# Altium PCB 2-quilter-output.pcbdoc (part 3 of 17) (continued)
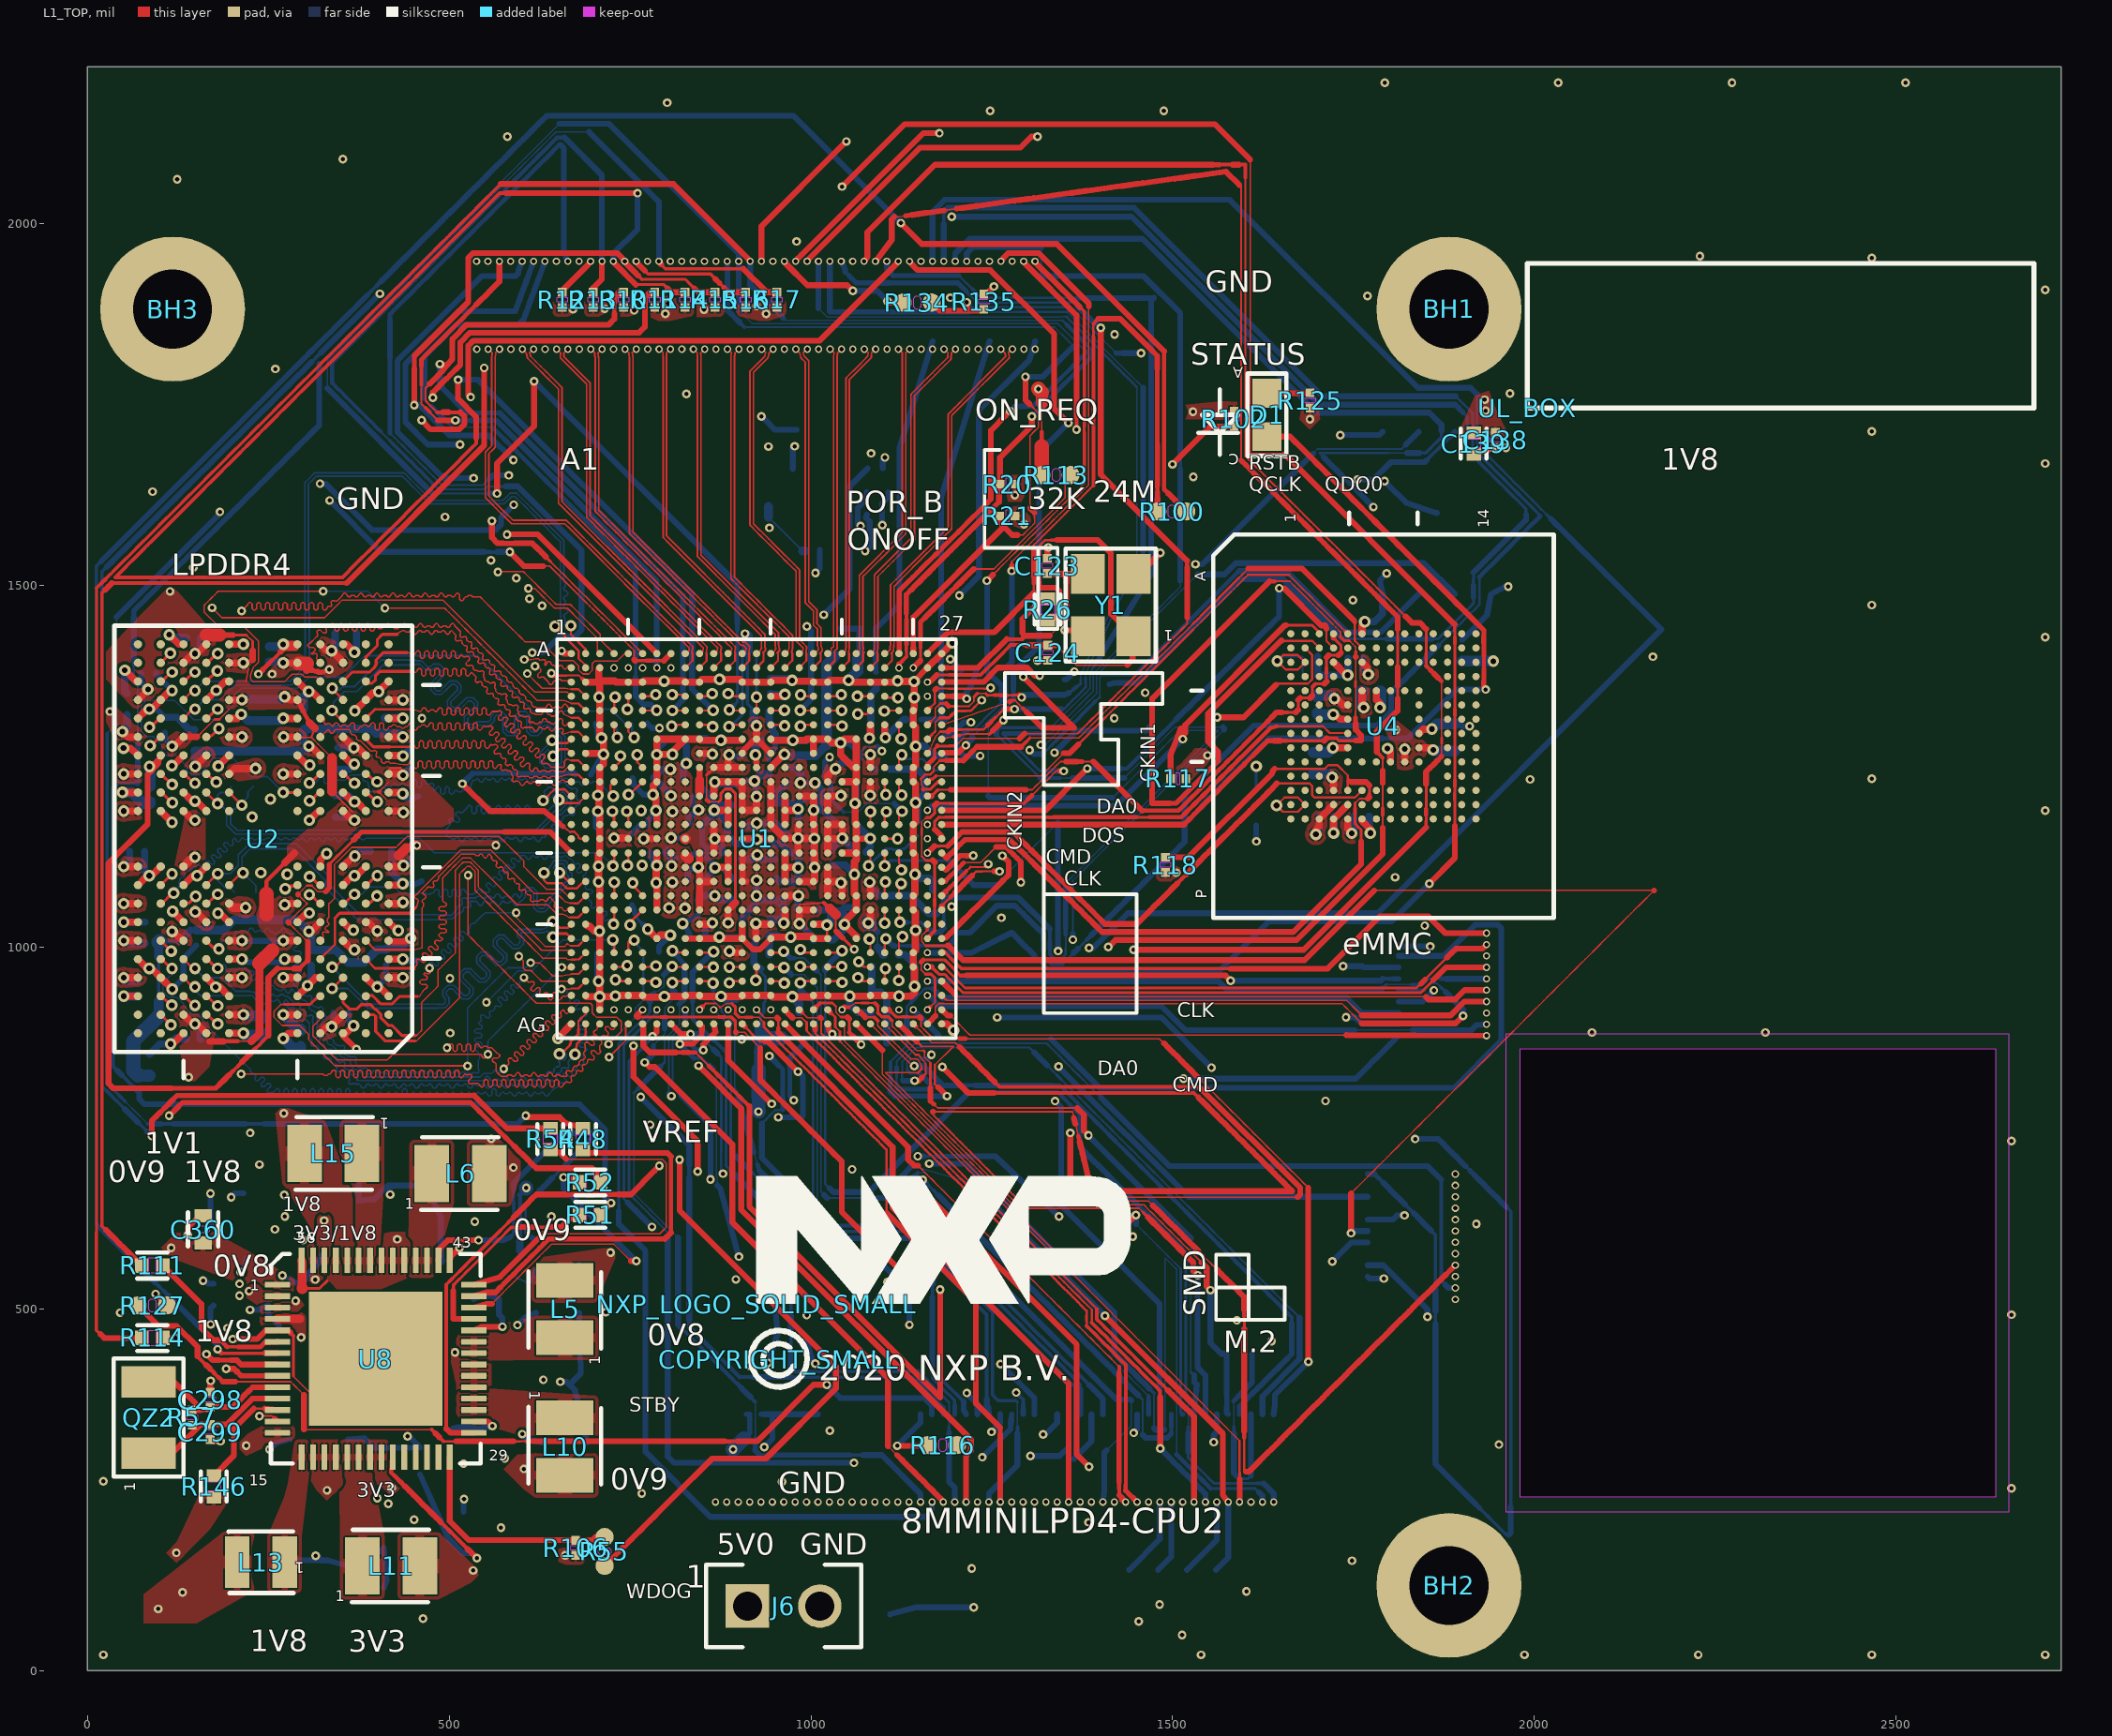
[diagram p0: L1_TOP view]
## Nets (pads, with @x,y where several pads share a name; then routed paths per layer and width w, separated by ;. In a path a pad name is that pad's centre, name@x,y a point inside that pad or via, vN(x,y) a via of type N, cw(c..) or ccw(c..) an arc to the next point about the centre after c; other vN are vias at no path point) (continued)
DRAMA_CK_T: R8.1 U1.L2 U2.P8 | length 982.9
  L1_TOP w3: v2(651.68,1203.62) 656.04,1199.26 678.97,1199.26 U1.L2@688.67,1208.96
  L1_TOP w3.5: U2.P8@196.09,1213.88 v2(213.64,1196.33)
  L8_BOT w2.3: v2(213.64,1196.33) 209.85,1196.33 204.34,1190.82 201.62,1190.82 198.09,1187.28 198.09,1170.9 207.34,1161.65 495.65,1161.65 496,1162 ; v2@213.64,1199.07 222.06,1207.49 222.06,1214.83 R8.1@229.42,1222.19 ; 496.19,1163.42 501.13,1168.73 501.13,1171.82 500.31,1172.64 500.31,1175.73 501.94,1177.36 505.03,1177.36 509.75,1172.64 512.84,1172.64 514.46,1174.26 514.46,1177.36 509.75,1182.07 509.75,1185.16 511.37,1186.79 514.46,1186.79 515.28,1185.98 518.37,1185.98 522.5,1190.11 524.68,1192.29 524.68,1193.44 526.87,1195.63 529.17,1195.63 531.36,1193.44 531.36,1186.77 533.54,1184.58 535.84,1184.58 538.03,1186.77 538.03,1193.44 540.21,1195.63 542.51,1195.63 544.7,1193.44 544.7,1186.77 546.88,1184.58 549.18,1184.58 551.37,1186.77 551.37,1193.44 553.56,1195.63 555.86,1195.63 558.04,1193.44 558.04,1186.77 560.23,1184.58 562.53,1184.58 564.71,1186.77 564.71,1193.44 566.9,1195.63 569.2,1195.63 571.38,1193.44 571.38,1186.77 573.57,1184.58 575.87,1184.58 578.06,1186.77 578.06,1193.44 580.24,1195.63 582.54,1195.63 584.73,1193.44 584.73,1186.77 586.91,1184.58 589.21,1184.58 591.4,1186.77 591.4,1193.44 593.59,1195.63 595.88,1195.63 598.07,1193.44 598.07,1186.77 600.26,1184.58 602.56,1184.58 604.74,1186.77 604.74,1193.44 606.93,1195.63 609.23,1195.63 611.41,1193.44 611.41,1186.77 613.6,1184.58 615.9,1184.58 618.09,1186.77 618.09,1187.92 620.27,1190.11 622.57,1190.11 624.76,1187.92 629.36,1187.92 631.54,1190.11 633.84,1190.11 638.24,1190.11 643.69,1195.55 651.67,1195.55 v2(651.68,1203.62) ; 497.22,1161.59 497.58,1161.4 505,1161.59 505.06,1161.59 514.61,1161.59 524.16,1161.59 533.7,1161.59 543.25,1161.59 552.8,1161.59 562.35,1161.59 571.89,1161.59 581.44,1161.59 590.99,1161.59 600.54,1161.59 610.08,1161.59 619.63,1161.59 626.1,1168.05 632.56,1174.52 639.02,1180.98 645.49,1187.44 645.57,1187.52 645.63,1187.58 645.7,1187.63 645.76,1187.68 645.83,1187.73 645.9,1187.78 645.98,1187.82 646.05,1187.86 646.12,1187.9 646.2,1187.94 646.28,1187.97 646.36,1188 646.44,1188.03 646.52,1188.05 646.6,1188.07 646.68,1188.09 646.76,1188.11 646.85,1188.12 646.93,1188.13 647.02,1188.14 647.1,1188.15 647.19,1188.15 652.99,1188.15 658.68,1193.84 664.37,1199.52 663.96,1199.94 663.88,1200.01 663.82,1200.08 663.77,1200.14 663.72,1200.21 663.67,1200.28 663.62,1200.35 663.58,1200.42 663.54,1200.5 663.5,1200.57 663.46,1200.65 663.43,1200.73 663.4,1200.8 663.37,1200.88 663.35,1200.96 663.33,1201.05 663.31,1201.13 663.29,1201.21 663.28,1201.3 663.27,1201.38 663.26,1201.46 663.25,1201.55 663.25,1201.63 663.25,1209.06 657.48,1214.83 652.89,1211.47 652.85,1211.44 652.78,1211.39 652.71,1211.34 652.63,1211.3 652.56,1211.26 652.48,1211.23 652.4,1211.19 652.33,1211.16 652.25,1211.13 652.17,1211.11 652.08,1211.08 652,1211.06 651.92,1211.05 651.84,1211.03 651.75,1211.02 651.67,1211.01 651.58,1211.01 651.5,1211 651.41,1211.01 651.33,1211.01 651.25,1211.02 647.63,1211.36 643.47,1209.56 643.22,1206.31 648.13,1204.52 v2@653.03,1202.74
DRAMA_CKE0: R121.2 U1.F4 U2.P4 | length 1025.7
  L1_TOP w3: 728.04,1300.44 728.04,1294.39 v2(732.53,1289.9)
  L1_TOP w3.3: 728.04,1300.44 U1.F4@728.04,1307.38
  L1_TOP w4.1: v2(307.38,1202.51) 309.04,1202.51 320.41,1213.88 U2.P4@322.07,1213.88
  L3_INNER1 w2: v2(307.38,1202.51) 299.33,1202.5 294.32,1197.49 289.32,1192.49 280.73,1192.49 272.15,1192.49 263.56,1192.49 254.97,1192.49 246.38,1192.49 237.8,1192.49 231.85,1198.43 225.91,1204.37 219.97,1210.31 211.87,1210.31 203.78,1210.31 195.68,1210.31 187.59,1210.31 179.49,1210.31 171.39,1210.31 163.3,1210.31 160.49,1213.13 152.92,1213.13 145.35,1213.13 141.39,1217.08 137.44,1221.03 137.44,1227.51 137.44,1233.99 141.68,1238.23 148.03,1238.23 154.39,1238.23 157.99,1241.83 161.6,1245.44 161.6,1246.69 167.74,1252.83 173.88,1258.97 180.02,1265.11 186.16,1271.26 194.85,1271.26 203.53,1271.26 212.21,1271.26 220.9,1271.26 229.58,1271.26 238.26,1271.26 246.95,1271.26 255.63,1271.26 264.31,1271.26 273,1271.26 278.51,1276.77 284.02,1282.28 289.54,1287.8 295.05,1293.31 303.17,1293.31 311.29,1293.31 319.41,1293.31 327.52,1293.31 335.64,1293.31 343.76,1293.31 351.88,1293.31 360,1293.31 366.03,1299.34 372.06,1305.37 378.09,1311.4 384.12,1317.43 390.15,1323.46 396.18,1329.49 402.21,1335.52 408.24,1341.55 414.27,1347.58 420.3,1353.61 428.93,1353.61 437.56,1353.61 446.18,1353.61 454.81,1353.61 463.44,1353.61 472.06,1353.61 480.69,1353.61 489.31,1353.61 497.94,1353.61 506.57,1353.61 515.19,1353.61 523.82,1353.61 532.44,1353.61 541.07,1353.61 549.7,1353.61 558.32,1353.61 566.95,1353.61 575.58,1353.61 584.2,1353.61 592.83,1353.61 601.45,1353.61 607.57,1359.73 613.68,1365.84 619.8,1371.96 625.91,1378.07 632.02,1384.18 638.14,1390.3 642.92,1390.3 649.22,1384 655.52,1377.7 661.81,1371.4 668.11,1365.1 676.49,1365.1 684.87,1365.1 693.25,1365.1 701.63,1365.1 710.01,1365.1 718.39,1365.1 726.77,1365.1 732.18,1359.69 737.59,1354.29 743,1348.88 748.4,1343.47 753.81,1338.06 759.22,1332.65 759.22,1325.95 759.22,1319.25 753.97,1314 748.72,1308.76 743.48,1303.51 738.23,1298.26 738.23,1295.59 v2(732.53,1289.9)
  L8_BOT w3: R121.2@723.4,1309.3 732.53,1300.17 v2(732.53,1289.9)
DRAMA_CKE1: R122.2 U1.F5 U2.P5 | length 1132.8
  L1_TOP w3: 747.73,1302.06 747.73,1298.06 v2(755.89,1289.9)
  L1_TOP w3.3: 747.73,1302.06 U1.F5@747.73,1307.38
  L1_TOP w4.1: v2(270.89,1213.88) U2.P5@290.57,1213.88
  L8_BOT w2: v2(270.89,1213.88) 265.42,1219.35 259.95,1224.82 254.48,1230.29 249.01,1235.76 241.55,1235.76 234.09,1235.76 226.63,1235.76 221.45,1240.94 216.27,1246.12 211.09,1251.29 205.91,1256.47 200.73,1261.65 192.08,1261.65 183.42,1261.65 174.76,1261.65 171.49,1258.38 168.21,1255.1 168.21,1252.06 163.6,1247.45 158.99,1242.84 154.38,1238.23 148.89,1238.23 143.39,1238.23 137.46,1244.17 137.46,1250.1 132.62,1254.94 127.79,1259.77 122.96,1264.6 116.37,1264.6 109.79,1264.6 103.48,1270.91 103.48,1278.64 97.19,1284.93 90.9,1291.22 86.39,1291.22 81.87,1291.22 78.19,1294.91 74.5,1298.59 74.5,1307.47 74.5,1316.36 74.5,1325.24 74.5,1334.12 77.88,1337.5 81.26,1340.88 89.21,1340.88 97.16,1340.88 105.12,1340.88 113.07,1340.88 121.02,1340.88 126.31,1335.59 131.6,1330.3 136.89,1325.01 142.17,1319.73 147.46,1314.44 156.22,1314.44 164.98,1314.44 173.74,1314.44 182.5,1314.44 187.48,1319.41 192.45,1324.39 197.43,1329.36 202.4,1334.33 202.4,1340.79 202.4,1347.24 207.67,1352.51 212.94,1357.78 221.6,1357.78 230.27,1357.78 238.93,1357.78 247.6,1357.78 256.26,1357.78 264.93,1357.78 273.59,1357.78 282.26,1357.78 290.92,1357.78 296.04,1362.89 301.15,1368 306.26,1373.11 314.17,1373.11 322.07,1373.11 329.98,1373.11 337.88,1373.11 345.79,1373.11 353.69,1373.11 359.65,1379.07 365.6,1385.02 371.55,1390.97 377.5,1396.92 383.45,1402.88 392.13,1402.88 400.8,1402.88 409.47,1402.88 418.14,1402.88 426.81,1402.88 435.48,1402.88 444.15,1402.88 452.82,1402.88 461.49,1402.88 470.16,1402.88 478.83,1402.88 487.5,1402.88 496.17,1402.88 504.84,1402.88 513.51,1402.88 522.18,1402.88 530.85,1402.88 539.52,1402.88 545.4,1396.99 551.29,1391.11 557.17,1385.22 563.06,1379.34 568.94,1373.45 574.82,1367.57 580.71,1361.69 586.59,1355.8 592.48,1349.92 598.36,1344.03 604.24,1338.15 610.13,1332.27 616.01,1326.38 624.39,1326.38 632.77,1326.38 641.15,1326.38 649.53,1326.38 657.91,1326.38 666.29,1326.38 674.68,1326.38 683.06,1326.38 691.44,1326.38 699.82,1326.38 703.3,1326.86 705.83,1328.94
  L8_BOT w3: 707.31,1328.94 723.52,1328.94 743.16,1309.3 R122.2@752.88,1309.3 752.88,1296.43 755.89,1293.42 v2(755.89,1289.9)
DRAMA_DATA0: U1.A5 U2.AA11 | length 1007.4
  L1_TOP w2: v1(213.34,1464.57) 216.59,1467.82 219.84,1471.07 221.87,1473.11 221.87,1474.11 223.91,1476.15 225.91,1476.15 227.95,1474.11 227.95,1468.03 229.99,1466 231.99,1466 234.03,1468.03 234.03,1474.11 236.06,1476.15 238.06,1476.15 240.1,1474.11 240.1,1468.03 242.14,1466 244.14,1466 246.18,1468.03 246.18,1474.11 248.21,1476.15 250.22,1476.15 252.25,1474.11 252.25,1468.03 254.29,1466 256.29,1466 258.33,1468.03 258.33,1474.11 260.36,1476.15 262.37,1476.15 264.4,1474.11 264.4,1468.03 266.44,1466 268.44,1466 270.48,1468.03 270.48,1474.11 272.52,1476.15 274.52,1476.15 276.55,1474.11 276.55,1468.03 278.59,1466 280.59,1466 282.63,1468.03 282.63,1474.11 284.67,1476.15 286.67,1476.15 288.71,1474.11 288.71,1468.03 290.74,1466 292.74,1466 294.78,1468.03 294.78,1474.11 296.82,1476.15 298.82,1476.15 300.86,1474.11 300.86,1468.03 302.89,1466 304.9,1466 306.93,1468.03 306.93,1474.11 308.97,1476.15 310.97,1476.15 313.01,1474.11 313.01,1468.03 315.04,1466 317.05,1466 319.08,1468.03 319.08,1474.11 321.12,1476.15 323.12,1476.15 325.16,1474.11 325.16,1468.03 327.2,1466 329.2,1466 331.23,1468.03 331.23,1469.03 333.27,1471.07 337.86,1471.07 337.86,1473.95 337.15,1474.66 337.15,1477.54 338.57,1478.95 341.45,1478.95 342.15,1478.25 345.03,1478.25 350.85,1484.07 352.89,1486.1 352.89,1487.1 354.93,1489.14 356.93,1489.14 358.97,1487.1 358.97,1486.1 361,1484.07 363,1484.07 365.04,1486.1 369.05,1486.1 371.08,1484.07 373.08,1484.07 375.12,1486.1 375.12,1487.1 377.16,1489.14 379.16,1489.14 381.2,1487.1 381.2,1486.1 383.23,1484.07 385.24,1484.07 387.27,1486.1 391.28,1486.1 393.31,1484.07 395.31,1484.07 397.35,1486.1 397.35,1487.1 399.39,1489.14 401.39,1489.14 403.43,1487.1 403.43,1486.1 405.46,1484.07 407.47,1484.07 409.5,1486.1 413.51,1486.1 415.54,1484.07 417.55,1484.07 419.58,1486.1 419.58,1487.1 421.62,1489.14 423.62,1489.14 425.66,1487.1 425.66,1486.1 427.69,1484.07 429.7,1484.07 431.73,1486.1 435.74,1486.1 437.77,1484.07 439.78,1484.07 441.81,1486.1 441.81,1487.1 443.85,1489.14 445.85,1489.14 447.89,1487.1 447.89,1486.1 449.93,1484.07 451.93,1484.07 453.96,1486.1 457.97,1486.1 460,1484.07 462.01,1484.07 464.04,1486.1 464.04,1487.1 466.08,1489.14 468.08,1489.14 470.12,1487.1 470.12,1486.1 472.16,1484.07 474.16,1484.07 476.19,1486.1 480.2,1486.1 482.24,1484.07 484.24,1484.07 486.27,1486.1 486.27,1487.1 488.31,1489.14 490.31,1489.14 492.35,1487.1 492.35,1486.1 494.39,1484.07 496.39,1484.07 498.43,1486.1 502.43,1486.1 504.47,1484.07 506.47,1484.07 508.5,1486.1 508.5,1487.1 510.54,1489.14 512.54,1489.14 514.58,1487.1 514.58,1481.03 516.62,1478.99 518.62,1478.99 520.66,1481.03 520.66,1482.03 522.69,1484.07 524.69,1484.07 526.73,1486.1 530.74,1486.1 532.77,1484.07 534.77,1484.07 542.95,1484.07 549.14,1477.88 555.32,1471.7 561.51,1465.51 567.69,1459.32 573.88,1453.14 580.07,1446.95 586.25,1440.77 592.44,1434.58 598.62,1428.4 604.81,1422.21 612.07,1422.21 619.33,1422.21 626.6,1422.21 631.84,1416.97 637.08,1411.73 642.32,1406.49 647.56,1401.24 652.8,1396 659.1,1396 665.4,1396 671.7,1396 675.26,1392.44 678.82,1388.88 678.82,1383.62 684.82,1377.62 693.01,1377.62 697.64,1382.25 697.64,1386.94 697.64,1391.62 701.71,1395.69 709.43,1395.69 717.15,1395.69 724.87,1395.69 732.58,1395.69 737.65,1400.76 742.72,1405.83 U1.A5@747.73,1405.81
  L1_TOP w4.1: U2.AA11@101.6,1393.01 v4(114.89,1406.3)
  L3_INNER1 w2: v4(114.89,1406.3) 114.9,1414.37 122.04,1414.37 125.4,1417.73 127.44,1419.77 127.44,1420.77 129.47,1422.81 131.48,1422.81 133.51,1420.77 133.51,1414.69 135.55,1412.66 137.55,1412.66 139.59,1414.69 139.59,1420.77 141.62,1422.81 143.63,1422.81 145.66,1420.77 145.66,1419.77 147.7,1417.73 149.7,1417.73 151.74,1419.77 155.74,1419.77 157.78,1417.73 159.78,1417.73 166.5,1417.73 166.5,1420.61 165.79,1421.32 165.79,1424.2 167.21,1425.62 170.09,1425.62 170.79,1424.91 173.68,1424.91 175.09,1426.32 175.09,1429.2 177.92,1432.04 180.8,1432.04 182.22,1433.45 182.22,1436.33 181.51,1437.04 181.51,1439.92 182.93,1441.34 185.81,1441.34 186.51,1440.63 189.39,1440.63 190.81,1442.04 190.81,1444.92 193.64,1447.76 196.52,1447.76 197.94,1449.17 197.94,1452.05 197.23,1452.76 197.23,1455.64 198.65,1457.06 201.53,1457.06 202.23,1456.35 205.11,1456.35 205.53,1456.77 205.53,1459.65 204.82,1460.35 204.82,1463.23 206.24,1464.65 209.12,1464.65 209.83,1463.94 212.71,1463.94 v1(213.34,1464.57)
DRAMA_DATA1: U1.B5 U2.Y11 | length 951.7
  L1_TOP w4.1: U2.Y11@101.6,1367.42 103.08,1367.42 115.86,1380.21 v2(117.34,1380.21)
  L3_INNER1 w2: v2(117.34,1380.21) 125.39,1380.22 128.27,1380.22 128.98,1380.92 131.86,1380.92 133.28,1379.51 133.28,1376.63 128.98,1372.33 128.98,1369.45 130.4,1368.04 133.28,1368.04 133.99,1368.74 136.87,1368.74 138.12,1367.49 144.16,1367.49 150.2,1367.49 152.21,1367.49 154.24,1369.52 158.25,1369.52 160.28,1367.49 162.29,1367.49 164.32,1369.52 164.32,1370.53 166.36,1372.56 168.36,1372.56 170.4,1370.53 170.4,1369.52 172.43,1367.49 174.44,1367.49 176.47,1369.52 180.48,1369.52 182.51,1367.49 184.52,1367.49 186.55,1369.52 186.55,1370.53 188.59,1372.56 190.59,1372.56 192.63,1370.53 192.63,1364.45 194.67,1362.41 196.67,1362.41 198.7,1364.45 198.7,1370.53 200.74,1372.56 202.74,1372.56 204.78,1370.53 204.78,1364.45 206.82,1362.41 208.82,1362.41 210.86,1364.45 210.86,1365.45 212.89,1367.49 214.25,1367.49 214.25,1370.37 213.54,1371.08 213.54,1373.96 214.96,1375.37 217.84,1375.37 222.14,1371.08 225.02,1371.08 226.43,1372.49 226.43,1375.37 225.73,1376.08 225.73,1378.96 226.38,1379.61 231.16,1387.15 237.07,1387.15 242.99,1387.15 245.83,1384.31 245.83,1378.27 245.83,1370.23 249.21,1366.85 251.24,1364.81 251.24,1363.81 253.28,1361.78 255.28,1361.78 257.32,1363.81 257.32,1364.81 259.36,1366.85 263.38,1366.85 266.26,1366.85 266.97,1366.14 269.85,1366.14 271.26,1367.56 271.26,1370.44 270.56,1371.15 270.56,1374.03 271.25,1374.73 273.26,1374.73 275.29,1376.76 279.3,1376.76 281.33,1374.73 283.34,1374.73 285.34,1374.73 287.37,1376.76 291.38,1376.76 293.41,1374.73 295.42,1374.73 297.42,1374.73 299.46,1376.76 303.46,1376.76 305.5,1374.73 307.5,1374.73 309.5,1374.73 311.54,1376.76 315.54,1376.76 317.58,1374.73 319.58,1374.73 321.58,1374.73 323.62,1376.76 327.62,1376.76 329.66,1374.73 331.66,1374.73 336.36,1374.73 341.06,1374.73 344.39,1378.06 347.73,1381.4 349.73,1381.4 351.77,1383.44 355.77,1383.44 357.81,1381.4 359.81,1381.4 361.81,1381.4 363.85,1383.44 367.86,1383.44 369.89,1381.4 371.89,1381.4 376.66,1381.4 379.54,1381.4 380.25,1380.69 383.13,1380.69 384.55,1382.11 384.55,1384.99 383.84,1385.69 383.84,1388.57 388.26,1393 390.3,1395.04 390.3,1396.04 392.34,1398.07 394.34,1398.07 396.37,1396.04 396.37,1389.96 398.41,1387.92 400.41,1387.92 402.45,1389.96 402.45,1396.04 404.49,1398.07 406.49,1398.07 408.53,1396.04 408.53,1389.96 410.56,1387.92 412.56,1387.92 414.6,1389.96 414.6,1396.04 416.64,1398.07 418.64,1398.07 420.68,1396.04 420.68,1389.96 422.71,1387.92 424.72,1387.92 426.75,1389.96 426.75,1396.04 428.79,1398.07 430.79,1398.07 432.83,1396.04 432.83,1389.96 434.86,1387.92 436.87,1387.92 438.9,1389.96 438.9,1396.04 440.94,1398.07 442.94,1398.07 444.98,1396.04 444.98,1389.96 447.02,1387.92 449.02,1387.92 451.05,1389.96 451.05,1390.96 453.09,1393 455.34,1393 455.34,1395.88 454.63,1396.59 454.63,1399.47 456.04,1400.88 458.92,1400.88 459.63,1400.18 462.51,1400.18 466.78,1404.45 469.66,1404.45 470.37,1403.74 473.25,1403.74 474.67,1405.15 474.67,1408.04 473.96,1408.74 473.96,1411.62 477.49,1415.15 481.02,1418.68 483.06,1420.72 483.06,1421.72 485.09,1423.76 487.1,1423.76 489.13,1421.72 489.13,1415.65 491.17,1413.61 493.17,1413.61 495.21,1415.65 495.21,1421.72 497.25,1423.76 499.25,1423.76 501.28,1421.72 501.28,1415.65 503.32,1413.61 505.32,1413.61 507.36,1415.65 507.36,1421.72 509.4,1423.76 511.4,1423.76 513.44,1421.72 513.44,1415.65 515.47,1413.61 517.47,1413.61 519.51,1415.65 519.51,1421.72 521.55,1423.76 523.55,1423.76 525.59,1421.72 525.59,1420.72 527.62,1418.68 529.63,1418.68 531.66,1420.72 535.67,1420.72 537.7,1418.68 539.7,1418.68 548.3,1418.68 556.89,1418.68 565.49,1418.68 574.08,1418.68 582.67,1418.68 591.27,1418.68 599.86,1418.68 608.46,1418.68 617.05,1418.68 625.64,1418.68 634.24,1418.68 642.83,1418.68 651.42,1418.68 660.02,1418.68 668.61,1418.68 677.21,1418.68 685.8,1418.68 694.39,1418.68 702.99,1418.68 711.58,1418.68 720.17,1418.68 725.68,1413.18 731.19,1407.67 736.7,1402.16 742.21,1396.65 747.72,1391.14 v3(747.73,1386.12)
DRAMA_DATA2: U1.D2 U2.V11 | length 909.7
  L1_TOP w2: v1(608.17,1378.21) 613.24,1373.14 618.31,1368.07 623.38,1363 628.45,1357.93 636.54,1357.93 644.64,1357.93 652.74,1357.93 660.83,1357.93 667.48,1356.6
  L1_TOP w3: 668.98,1356.6 678.83,1356.6 U1.D2@688.67,1346.75
  L1_TOP w4.1: v2(86.2,1303.93) 87.75,1303.93 100.06,1316.24 U2.V11@101.6,1316.24
  L3_INNER1 w2: v2(86.2,1303.93) 94.25,1303.94 96.29,1305.97 96.29,1306.97 98.33,1309.01 100.33,1309.01 102.36,1306.97 102.36,1300.9 104.4,1298.86 106.4,1298.86 108.44,1300.9 108.44,1306.97 110.48,1309.01 112.48,1309.01 114.52,1306.97 114.52,1300.9 116.55,1298.86 118.55,1298.86 120.59,1300.9 120.59,1306.97 122.63,1309.01 124.63,1309.01 126.67,1306.97 126.67,1300.9 128.7,1298.86 130.71,1298.86 132.74,1300.9 132.74,1306.97 134.78,1309.01 136.78,1309.01 138.82,1306.97 138.82,1305.97 140.85,1303.94 143.44,1303.94 146.32,1303.94 147.03,1304.64 149.91,1304.64 151.32,1303.23 151.32,1300.35 147.03,1296.05 147.03,1293.17 148.44,1291.76 151.32,1291.76 155.62,1296.05 158.5,1296.05 159.92,1294.64 159.92,1291.76 155.62,1287.46 155.62,1284.58 157.04,1283.16 159.92,1283.16 164.21,1287.46 167.09,1287.46 168.51,1286.04 168.51,1283.16 167.8,1282.46 167.8,1279.58 168.31,1279.07 170.34,1281.11 170.34,1282.11 172.38,1284.14 174.38,1284.14 176.42,1282.11 176.42,1276.03 178.46,1274 180.46,1274 182.5,1276.03 182.5,1282.11 184.53,1284.14 186.53,1284.14 188.57,1282.11 188.57,1281.11 190.61,1279.07 192.61,1279.07 194.65,1281.11 198.65,1281.11 200.69,1279.07 202.69,1279.07 204.69,1279.07 206.73,1277.03 210.73,1277.03 212.77,1279.07 214.77,1279.07 219.37,1279.07 223.97,1279.07 226.85,1279.07 227.56,1278.36 230.44,1278.36 231.86,1279.78 231.86,1282.66 227.56,1286.95 227.56,1289.84 228.98,1291.25 231.86,1291.25 236.15,1286.95 239.03,1286.95 240.45,1288.37 240.45,1291.25 236.15,1295.55 236.15,1298.43 237.57,1299.84 240.45,1299.84 241.16,1299.13 244.04,1299.13 247.99,1303.09 250.02,1305.12 250.02,1306.12 252.06,1308.16 254.06,1308.16 256.1,1306.12 256.1,1300.05 258.14,1298.01 260.14,1298.01 262.18,1300.05 262.18,1301.05 264.21,1303.09 270.25,1303.09 276.29,1303.09 278.33,1305.12 278.33,1306.12 280.37,1308.16 282.37,1308.16 284.41,1306.12 284.41,1300.05 286.44,1298.01 288.45,1298.01 290.48,1300.05 290.48,1306.12 292.52,1308.16 294.52,1308.16 296.56,1306.12 296.56,1300.05 298.59,1298.01 300.6,1298.01 302.63,1300.05 302.63,1306.12 304.67,1308.16 306.67,1308.16 308.71,1306.12 308.71,1300.05 310.75,1298.01 312.75,1298.01 314.78,1300.05 314.78,1306.12 316.82,1308.16 318.82,1308.16 320.86,1306.12 320.86,1300.05 322.9,1298.01 324.9,1298.01 326.94,1300.05 326.94,1301.05 328.97,1303.09 333.33,1303.09 333.33,1305.97 332.62,1306.68 332.62,1309.56 334.03,1310.97 336.91,1310.97 337.62,1310.26 340.5,1310.26 341.92,1311.68 341.92,1314.56 344.75,1317.39 347.63,1317.39 349.05,1318.81 353.8,1323.56 358.55,1328.31 358.55,1333.38 362.34,1337.16 366.12,1340.95 373.1,1340.95 378.24,1346.1 383.39,1351.24 388.53,1356.39 393.68,1361.53 398.83,1366.68 407.82,1366.68 416.81,1366.68 425.8,1366.68 434.79,1366.68 443.78,1366.68 452.77,1366.68 461.77,1366.68 470.76,1366.68 479.75,1366.68 488.74,1366.68 497.73,1366.68 506.72,1366.68 515.72,1366.68 524.71,1366.68 533.7,1366.68 542.69,1366.68 551.68,1366.68 560.67,1366.68 569.66,1366.68 578.66,1366.68 587.65,1366.68 596.64,1366.68 602.4,1372.44 v1(608.17,1378.21)
DRAMA_DATA3: U1.D1 U2.U11 | length 956.5
  L1_TOP w2: v1(172.42,1469.1) 175.72,1465.8 179.01,1462.5 182.58,1458.94 186.14,1455.37 195.01,1455.37 203.88,1455.37 212.74,1455.37 221.61,1455.37 230.47,1455.37 239.34,1455.37 248.21,1455.37 257.07,1455.37 265.94,1455.37 274.81,1455.37 283.67,1455.37 292.54,1455.37 301.41,1455.37 310.27,1455.37 319.14,1455.37 328.01,1455.37 334.12,1461.49 340.24,1467.6 346.35,1473.72 352.47,1479.83 361.15,1479.83 369.83,1479.83 378.51,1479.83 387.19,1479.83 395.87,1479.83 404.55,1479.83 413.23,1479.83 421.91,1479.83 430.59,1479.83 439.27,1479.83 447.95,1479.83 456.63,1479.83 465.31,1479.83 473.99,1479.83 482.68,1479.83 491.36,1479.83 497.71,1473.48 504.06,1467.13 510.41,1460.78 516.77,1454.42 523.12,1448.07 529.47,1441.72 535.82,1435.36 542.18,1429.01 548.53,1422.66 554.88,1416.31 561.24,1409.95 567.59,1403.6 573.94,1397.25 580.29,1390.9 586.65,1384.54 593,1378.19 599.35,1371.84 605.7,1365.48 612.06,1359.13 618.41,1352.78 627.31,1352.78 636.22,1352.78 645.12,1352.78 654.02,1352.78 662.93,1352.78 665.41,1350.3 U1.D1@668.98,1346.75
  L1_TOP w4.1: v2(86.94,1278.52) 88.2,1278.52 100.33,1290.65 U2.U11@101.6,1290.65
  L3_INNER1 w2: v2(86.94,1278.52) 82.25,1283.23 77.54,1287.93 72.84,1292.63 72.84,1301.63 72.84,1310.63 72.84,1319.63 72.84,1321.63 70.81,1323.67 70.81,1327.67 72.84,1329.71 72.84,1331.71 70.81,1333.75 69.8,1333.75 67.77,1335.78 67.77,1337.78 69.8,1339.82 75.88,1339.82 77.92,1341.86 77.92,1343.86 75.88,1345.9 69.8,1345.9 67.77,1347.93 67.77,1349.94 69.8,1351.97 70.81,1351.97 72.84,1354.01 72.84,1356.01 70.81,1358.05 70.81,1362.05 72.84,1364.09 72.84,1366.09 70.81,1368.13 69.8,1368.13 67.77,1370.16 67.77,1372.17 69.8,1374.2 75.88,1374.2 77.92,1376.24 77.92,1378.24 75.88,1380.28 74.88,1380.28 72.84,1382.32 76.08,1385.55 78.96,1385.55 79.67,1384.84 82.55,1384.84 83.96,1386.26 83.96,1389.14 79.67,1393.44 79.67,1396.32 81.08,1397.73 83.96,1397.73 88.26,1393.44 91.14,1393.44 92.55,1394.85 92.55,1397.73 91.85,1398.44 91.85,1401.32 93.26,1402.74 96.14,1402.74 98.97,1405.57 98.97,1408.45 100.39,1409.86 100.39,1412.74 99.68,1413.45 99.68,1416.33 101.1,1417.75 103.98,1417.75 104.69,1417.04 107.57,1417.04 113.63,1418.98 119.39,1420.82 122.76,1424.2 126.14,1427.57 130.41,1431.85 130.41,1434.73 129.7,1435.43 129.7,1438.31 131.12,1439.73 134,1439.73 138.3,1435.43 141.18,1435.43 142.59,1436.85 142.59,1439.73 138.3,1444.03 138.3,1446.91 139.71,1448.32 142.59,1448.32 146.89,1444.03 149.77,1444.03 151.18,1445.44 151.18,1448.32 146.89,1452.62 146.89,1455.5 148.3,1456.91 151.18,1456.91 155.48,1452.62 158.36,1452.62 159.78,1454.03 159.78,1456.91 155.48,1461.21 155.48,1464.09 156.9,1465.51 159.78,1465.51 164.07,1461.21 166.95,1461.21 168.37,1462.63 168.37,1465.51 167.66,1466.21 167.66,1469.1 v1(172.42,1469.1)